# Altium PCB STB_LightBoard.PcbDoc (part 15 of 31)
Units mm, origin at the board's own origin, x right, y up, seen from the top; angles counter-clockwise.
Board outline 348 x 348 mm, 2 copper layers (Top Layer, Bottom Layer), stack 1.672 mm thick; 3807 components, 3391 nets, 11616 pads, 2553 vias.
Unrouted connection lines stored in the file: 68.
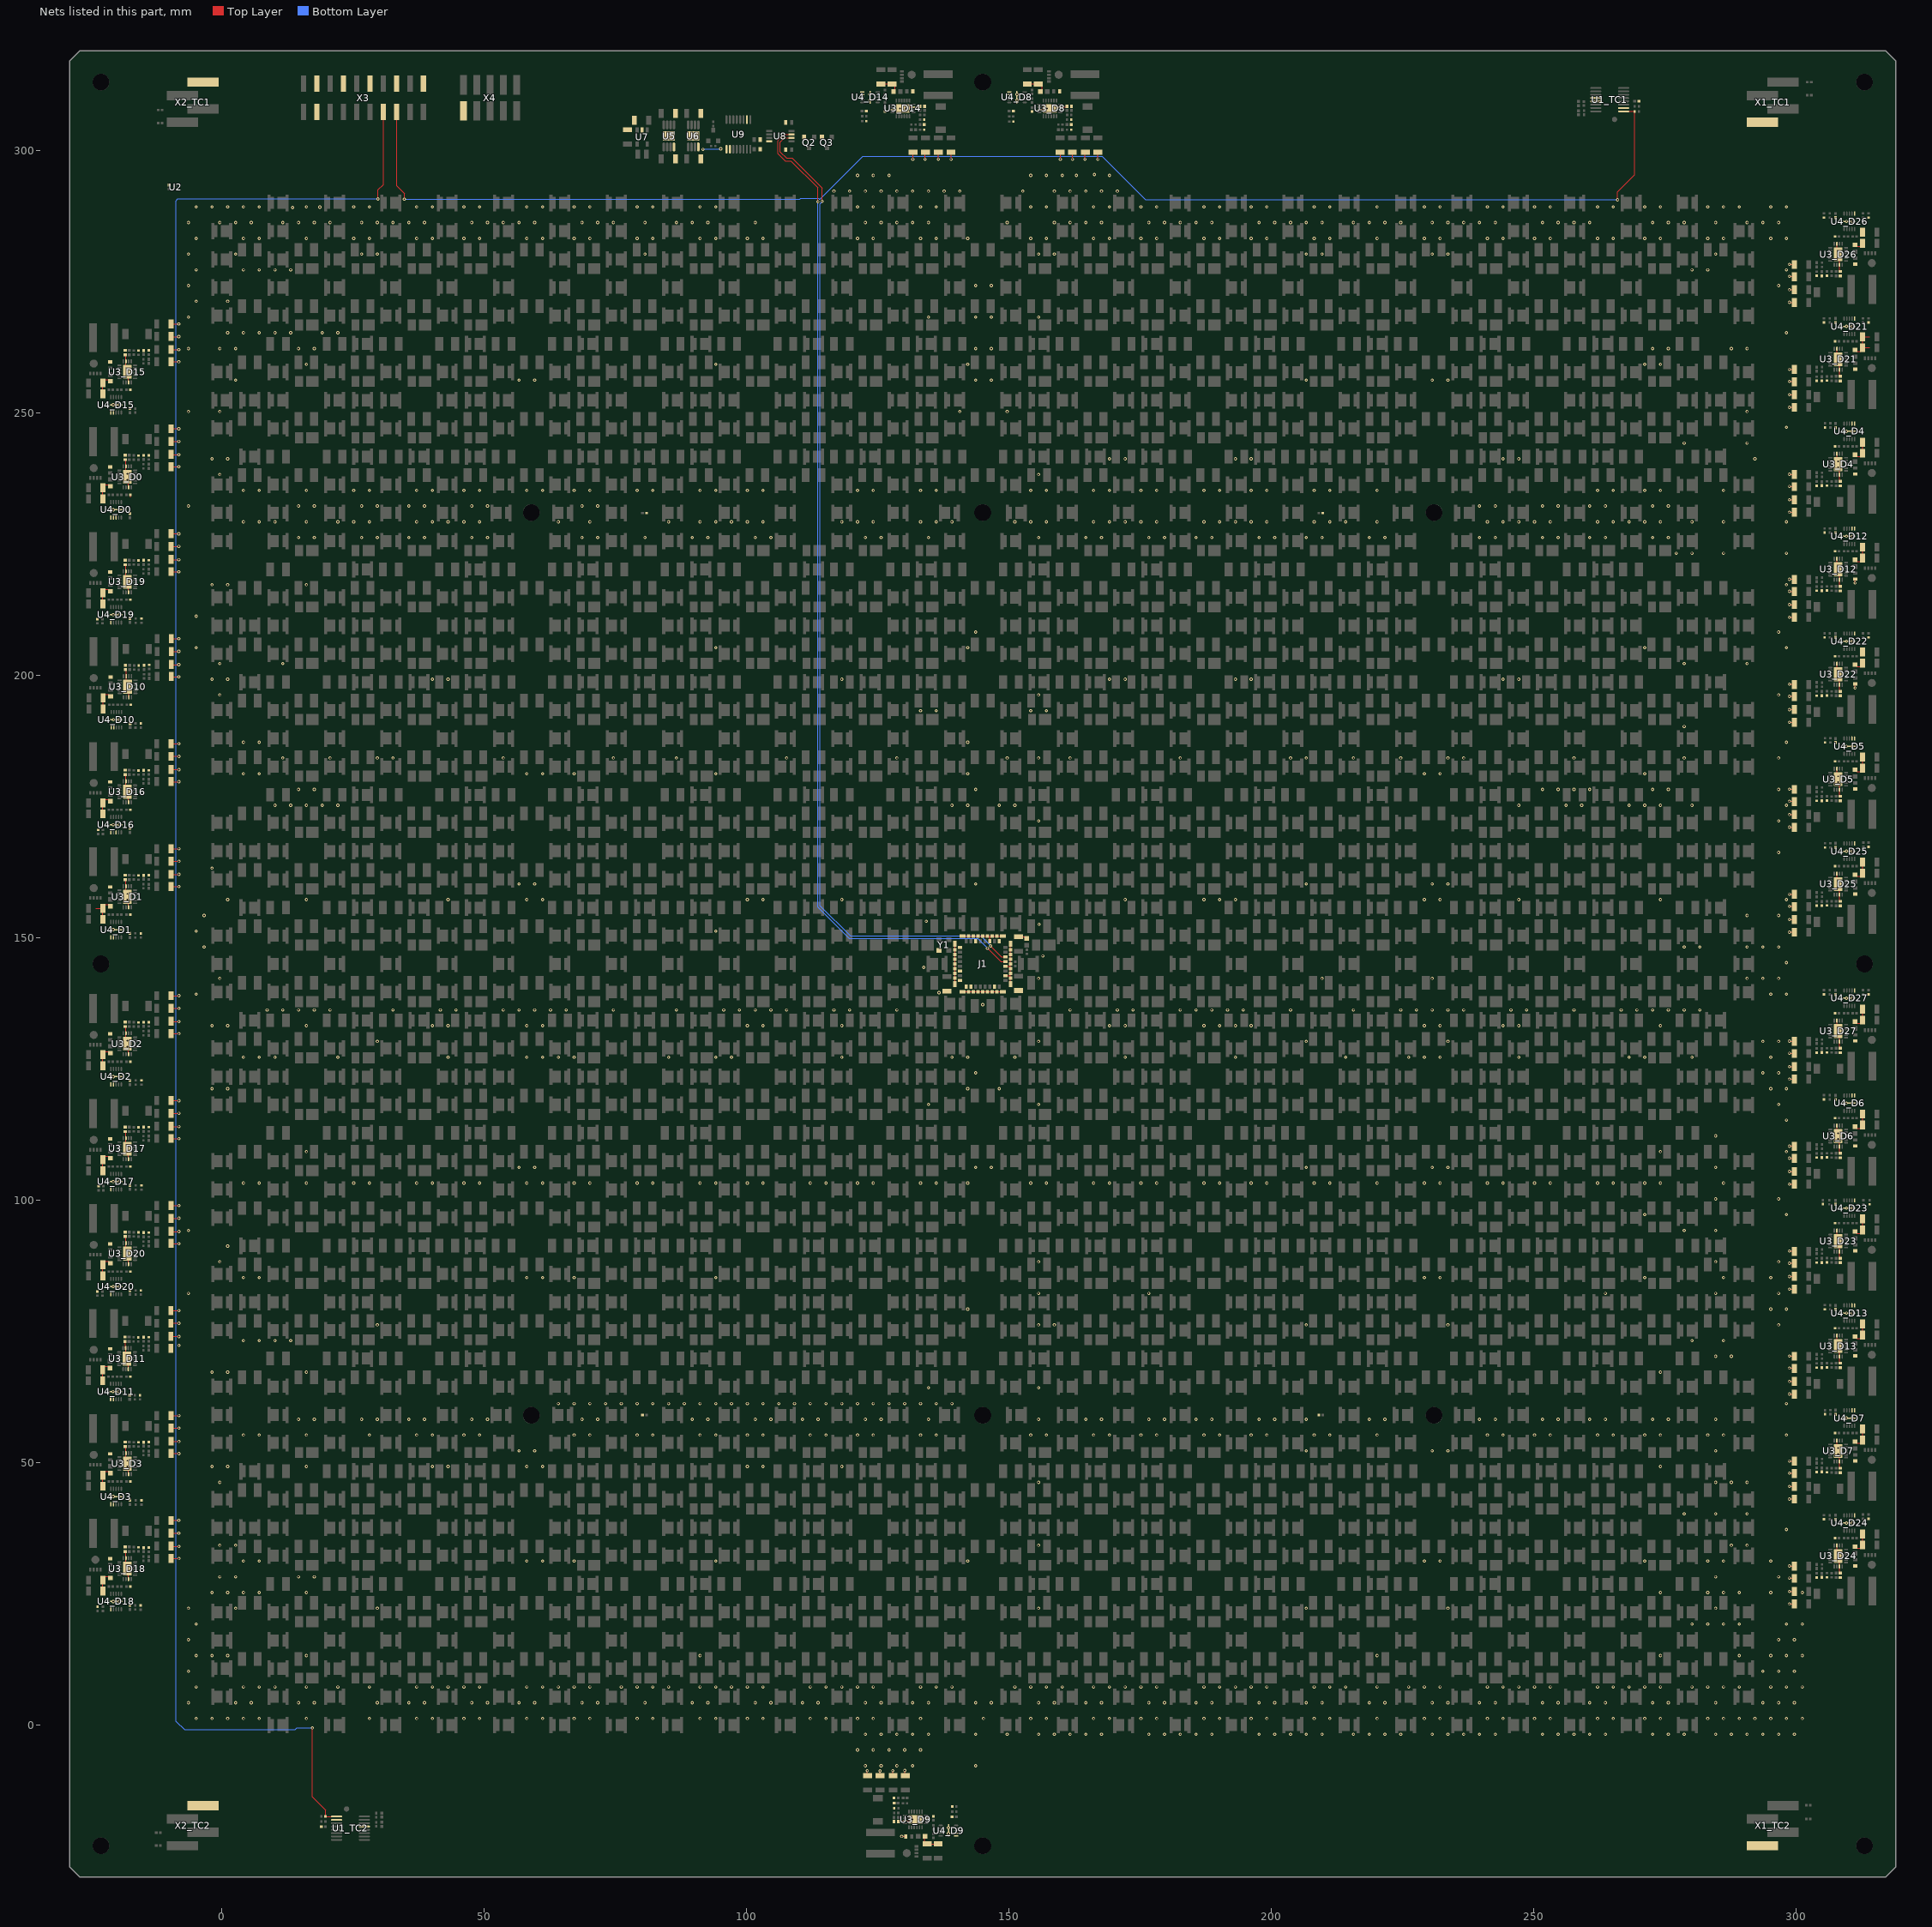
[diagram p15: the nets of this part, all layers, seen from the top]

## Via types
v1: diameter 0.604, hole 0.3, Top Layer to Bottom Layer, tented both sides, 2553 vias

## Nets (pads, with @x,y where several pads share a name; then routed paths per layer and width w, separated by ;. In a path a pad name is that pad's centre, name@x,y a point inside that pad or via, vN(x,y) a via of type N, cw(c..) or ccw(c..) an arc to the next point about the centre after c; other vN are vias at no path point) (continued)
GND: C1_TC1.1 C1_TC2.1 C4.1 C5_D0.2 C5_D1.2 C5_D2.2 C5_D3.2 C5_D4.2 C5_D5.2 C5_D6.2 C5_D7.2 C5_D8.2 C5_D9.2 C5_D10.2 C5_D11.2 C5_D12.2 C5_D13.2 C5_D14.2 C5_D15.2 C5_D16.2 C5_D17.2 C5_D18.2 C5_D19.2 C5_D20.2 C5_D21.2 C5_D22.2 C5_D23.2 C5_D24.2 C5_D25.2 C5_D26.2 C5_D27.2 C6_D0.2 C6_D1.2 C6_D2.2 C6_D3.2 C6_D4.2 C6_D5.2 C6_D6.2 C6_D7.2 C6_D8.2 C6_D9.2 C6_D10.2 C6_D11.2 C6_D12.2 C6_D13.2 C6_D14.2 C6_D15.2 C6_D16.2 C6_D17.2 C6_D18.2 C6_D19.2 C6_D20.2 C6_D21.2 C6_D22.2 C6_D23.2 C6_D24.2 C6_D25.2 C6_D26.2 C6_D27.2 C8_D0.2 C8_D1.2 C8_D2.2 C8_D3.2 C8_D4.2 C8_D5.2 C8_D6.2 C8_D7.2 C8_D8.2 C8_D9.2 C8_D10.2 C8_D11.2 C8_D12.2 C8_D13.2 C8_D14.2 C8_D15.2 C8_D16.2 C8_D17.2 C8_D18.2 C8_D19.2 C8_D20.2 C8_D21.2 C8_D22.2 C8_D23.2 C8_D24.2 C8_D25.2 C8_D26.2 C8_D27.2 C9_D0.2 C9_D1.2 C9_D2.2 C9_D3.2 C9_D4.2 C9_D5.2 C9_D6.2 C9_D7.2 C9_D8.2 C9_D9.2 C9_D10.2 C9_D11.2 C9_D12.2 C9_D13.2 C9_D14.2 C9_D15.2 C9_D16.2 C9_D17.2 C9_D18.2 C9_D19.2 C9_D20.2 C9_D21.2 C9_D22.2 C9_D23.2 C9_D24.2 C9_D25.2 C9_D26.2 C9_D27.2 C10_D0.2 C10_D1.2 C10_D2.2 C10_D3.2 C10_D4.2 C10_D5.2 C10_D6.2 C10_D7.2 C10_D8.2 C10_D9.2 C10_D10.2 C10_D11.2 C10_D12.2 C10_D13.2 C10_D14.2 C10_D15.2 C10_D16.2 C10_D17.2 C10_D18.2 C10_D19.2 C10_D20.2 C10_D21.2 C10_D22.2 C10_D23.2 C10_D24.2 C10_D25.2 C10_D26.2 C10_D27.2 C11_D0.2 C11_D1.2 C11_D2.2 C11_D3.2 C11_D4.2 C11_D5.2 C11_D6.2 C11_D7.2 C11_D8.2 C11_D9.2 C11_D10.2 C11_D11.2 C11_D12.2 C11_D13.2 C11_D14.2 C11_D15.2 C11_D16.2 C11_D17.2 C11_D18.2 C11_D19.2 C11_D20.2 C11_D21.2 C11_D22.2 C11_D23.2 C11_D24.2 C11_D25.2 C11_D26.2 C11_D27.2 C12_D0.1 C12_D1.1 C12_D2.1 C12_D3.1 C12_D4.1 C12_D5.1 C12_D6.1 C12_D7.1 C12_D8.1 C12_D9.1 C12_D10.1 C12_D11.1 C12_D12.1 C12_D13.1 C12_D14.1 C12_D15.1 C12_D16.1 C12_D17.1 C12_D18.1 C12_D19.1 C12_D20.1 C12_D21.1 C12_D22.1 C12_D23.1 C12_D24.1 C12_D25.1 C12_D26.1 C12_D27.1 C13_D0.2 C13_D1.2 C13_D2.2 C13_D3.2 C13_D4.2 C13_D5.2 C13_D6.2 C13_D7.2 C13_D8.2 C13_D9.2 C13_D10.2 C13_D11.2 C13_D12.2 C13_D13.2 C13_D14.2 C13_D15.2 C13_D16.2 C13_D17.2 C13_D18.2 C13_D19.2 C13_D20.2 C13_D21.2 C13_D22.2 C13_D23.2 C13_D24.2 C13_D25.2 C13_D26.2 C13_D27.2 C14_D0.1 C14_D1.1 C14_D2.1 C14_D3.1 C14_D4.1 C14_D5.1 C14_D6.1 C14_D7.1 C14_D8.1 C14_D9.1 C14_D10.1 C14_D11.1 C14_D12.1 C14_D13.1 C14_D14.1 C14_D15.1 C14_D16.1 C14_D17.1 C14_D18.1 C14_D19.1 C14_D20.1 C14_D21.1 C14_D22.1 C14_D23.1 C14_D24.1 C14_D25.1 C14_D26.1 C14_D27.1 C15_D0.1 C15_D1.1 C15_D2.1 C15_D3.1 C15_D4.1 C15_D5.1 C15_D6.1 C15_D7.1 C15_D8.1 C15_D9.1 C15_D10.1 C15_D11.1 C15_D12.1 C15_D13.1 C15_D14.1 C15_D15.1 C15_D16.1 C15_D17.1 C15_D18.1 C15_D19.1 C15_D20.1 C15_D21.1 C15_D22.1 C15_D23.1 C15_D24.1 C15_D25.1 C15_D26.1 C15_D27.1 C16_D0.1 C16_D1.1 C16_D2.1 C16_D3.1 C16_D4.1 C16_D5.1 C16_D6.1 C16_D7.1 C16_D8.1 C16_D9.1 C16_D10.1 C16_D11.1 C16_D12.1 C16_D13.1 C16_D14.1 C16_D15.1 C16_D16.1 C16_D17.1 C16_D18.1 C16_D19.1 C16_D20.1 C16_D21.1 C16_D22.1 C16_D23.1 C16_D24.1 C16_D25.1 C16_D26.1 C16_D27.1 C17_D0.1 C17_D1.1 C17_D2.1 C17_D3.1 C17_D4.1 C17_D5.1 C17_D6.1 C17_D7.1 C17_D8.1 C17_D9.1 C17_D10.1 C17_D11.1 C17_D12.1 C17_D13.1 C17_D14.1 C17_D15.1 C17_D16.1 C17_D17.1 C17_D18.1 C17_D19.1 C17_D20.1 C17_D21.1 C17_D22.1 C17_D23.1 C17_D24.1 C17_D25.1 C17_D26.1 C17_D27.1 C18.2 C19.2 C20.2 C21.2 C22.2 C23.2 C24.2 C25.2 C26.1 C27.2 C29.2 C30.2 C31.2 C34.2 J1.1 J1.6 J1.8 J1.9 J1.10 J1.15 J1.18 J1.20 J1.25 J1.27 J1.30 J1.33 J1.34 J1.35 J1.36 J1.37 J1.38 J1.39 J1.40 J1.41 J1.42 J1.43 J1.44 J1.45 J1.46 J1.47 J1.48 J1.49 J1.50 J1.51 J1.52 J1.53 J1.54 J1.55 J1.56 J1.57 J1.58 J1.59 J1.60 J1.61 J1.62 J1.63 J1.64 J1.65 J1.66 J1.67 J1.68 Q2.2 Q3.2 R4.1 R5.1 R9.1 R10.1 R11.1 R16.1 R17.1 R18.1 R19.1 R21.1 R25.1 R26.1 R27.1 R32.1 R33.1 R34.1 R35.1 R38.1 R39.1 R41.1 R43.1 R51_TC1.1 R51_TC2.1 R53_TC1.1 R53_TC2.1 R55_D0.2 R55_D1.2 R55_D2.2 R55_D3.2 R55_D4.2 R55_D5.2 R55_D6.2 R55_D7.2 R55_D8.2 R55_D9.2 R55_D10.2 R55_D11.2 R55_D12.2 R55_D13.2 R55_D14.2 R55_D15.2 R55_D16.2 R55_D17.2 R55_D18.2 R55_D19.2 R55_D20.2 R55_D21.2 R55_D22.2 R55_D23.2 R55_D24.2 R55_D25.2 R55_D26.2 R55_D27.2 R59_D0.1 R59_D1.1 R59_D2.1 R59_D3.1 R59_D4.1 R59_D5.1 R59_D6.1 R59_D7.1 R59_D8.1 R59_D9.1 R59_D10.1 R59_D11.1 R59_D12.1 R59_D13.1 R59_D14.1 R59_D15.1 R59_D16.1 R59_D17.1 R59_D18.1 R59_D19.1 R59_D20.1 R59_D21.1 R59_D22.1 R59_D23.1 R59_D24.1 R59_D25.1 R59_D26.1 R59_D27.1 R60_D0.1 R60_D1.1 R60_D2.1 R60_D3.1 R60_D4.1 R60_D5.1 R60_D6.1 R60_D7.1 R60_D8.1 R60_D9.1 R60_D10.1 R60_D11.1 R60_D12.1 R60_D13.1 R60_D14.1 R60_D15.1 R60_D16.1 R60_D17.1 R60_D18.1 R60_D19.1 R60_D20.1 R60_D21.1 R60_D22.1 R60_D23.1 R60_D24.1 R60_D25.1 R60_D26.1 R60_D27.1 R63.1 R64.1 R67.1 R68.1 R73.1 R74.1 R75.1 R76.1 R81.1 R82.1 R83.1 R84.1 R86.1 R88.1 R90.1 R92.1 U1_TC1.4 U1_TC1.5 U1_TC1.10 U1_TC2.5 U1_TC2.10 U2.A2 U3_D0.9 U3_D0.19 U3_D0.21 U3_D1.9 U3_D1.19 U3_D1.21 U3_D2.9 U3_D2.19 U3_D2.21 U3_D3.9 U3_D3.19 U3_D3.21 U3_D4.9 U3_D4.19 U3_D4.21 U3_D5.9 U3_D5.19 U3_D5.21 U3_D6.9 U3_D6.19 U3_D6.21 U3_D7.9 U3_D7.19 U3_D7.21 U3_D8.9 U3_D8.19 U3_D8.21 U3_D9.9 U3_D9.19 U3_D9.21 U3_D10.9 U3_D10.19 U3_D10.21 U3_D11.9 U3_D11.19 U3_D11.21 U3_D12.9 U3_D12.19 U3_D12.21 U3_D13.9 U3_D13.19 U3_D13.21 U3_D14.9 U3_D14.19 U3_D14.21 U3_D15.9 U3_D15.19 U3_D15.21 U3_D16.9 U3_D16.19 U3_D16.21 U3_D17.9 U3_D17.19 U3_D17.21 U3_D18.9 U3_D18.19 U3_D18.21 U3_D19.9 U3_D19.19 U3_D19.21 U3_D20.9 U3_D20.19 U3_D20.21 U3_D21.9 U3_D21.19 U3_D21.21 U3_D22.9 U3_D22.19 U3_D22.21 U3_D23.9 U3_D23.19 U3_D23.21 U3_D24.9 U3_D24.19 U3_D24.21 U3_D25.9 U3_D25.19 U3_D25.21 U3_D26.9 U3_D26.19 U3_D26.21 U3_D27.9 U3_D27.19 U3_D27.21 U4_D0.1 U4_D0.2 U4_D0.3 U4_D0.11 U4_D1.1 U4_D1.2 U4_D1.11 U4_D2.1 U4_D2.2 U4_D2.11 U4_D3.1 U4_D3.2 U4_D3.11 U4_D4.1 U4_D4.2 U4_D4.11 U4_D5.1 U4_D5.2 U4_D5.11 U4_D6.1 U4_D6.2 U4_D6.11 U4_D7.1 U4_D7.2 U4_D7.11 U4_D8.1 U4_D8.2 U4_D8.11 U4_D9.1 U4_D9.2 U4_D9.11 U4_D10.1 U4_D10.2 U4_D10.11 U4_D11.1 U4_D11.2 U4_D11.11 U4_D12.1 U4_D12.2 U4_D12.11 U4_D13.1 U4_D13.2 U4_D13.11 U4_D14.1 U4_D14.2 U4_D14.11 U4_D15.1 U4_D15.2 U4_D15.11 U4_D16.1 U4_D16.3 U4_D16.11 U4_D17.1 U4_D17.11 U4_D18.1 U4_D18.11 U4_D19.1 U4_D19.11 U4_D20.1 U4_D20.11 U4_D21.1 U4_D21.11 U4_D22.1 U4_D22.11 U4_D23.1 U4_D23.11 U4_D24.1 U4_D24.11 U4_D25.1 U4_D25.11 U4_D26.1 U4_D26.11 U4_D27.1 U4_D27.11 U5.4 U5.9 U6.4 U6.9 U7.2 U8.4 U9.2 U9.9 U9.10 X1_TC1.1 X1_TC2.1 X2_TC1.1 X2_TC2.1 X3.3 X3.4 X3.8 X3.12 X3.16 X3.20 X4.1 Y1.2 | length 397.7
  Top Layer w0.152: v1(95.1,300.3) v1@95.3,300.3
  Top Layer w0.2: -23.954,155.565 -22.673,155.565 C6_D1.2@-22.638,155.6 ; C5_D11.2@-22.68,65.6 -22.68,67.587 C6_D11.2@-22.317,67.225 ; C6_D18.2@-22.673,27.565 C6_D18.2@-22.638,27.6 ; C6_D3.2@-22.673,47.565 C6_D3.2@-22.638,47.6 ; C6_D17.2@-22.673,107.665 C6_D17.2@-22.638,107.7 ; C6_D2.2@-22.673,127.665 C6_D2.2@-22.638,127.7 ; C6_D16.2@-22.673,175.665 C6_D16.2@-22.638,175.7 ; C6_D19.2@-22.673,215.665 C6_D19.2@-22.638,215.7 ; C6_D0.2@-22.673,235.665 C6_D0.2@-22.638,235.7 ; C6_D15.2@-22.673,255.665 C6_D15.2@-22.638,255.7 ; C5_D18.2@-22.638,25.5 C6_D18.2@-22.638,27.487 ; C5_D3.2@-22.638,45.5 C6_D3.2@-22.638,47.487 ; C5_D20.2@-22.638,85.6 C6_D20.2@-22.638,87.587 ; C5_D17.2@-22.638,105.6 C6_D17.2@-22.638,107.587 ; C5_D2.2@-22.638,125.6 C6_D2.2@-22.638,127.587 ; C5_D1.2@-22.638,153.5 C6_D1.2@-22.638,155.487 ; C5_D16.2@-22.638,173.6 C6_D16.2@-22.638,175.587 ; C5_D19.2@-22.638,213.6 C6_D19.2@-22.638,215.587 ; C5_D0.2@-22.638,233.6 C6_D0.2@-22.638,235.587 ; C5_D15.2@-22.638,253.6 C6_D15.2@-22.638,255.587 ; C6_D10.2@-22.615,195.665 C6_D10.2@-22.579,195.7 ; C5_D10.2@-22.579,193.6 C6_D10.2@-22.58,195.587 ; C6_D11.2@-22.317,68.325 -21.592,68.325 C15_D11.1@-21.267,68 ; C6_D18.2@-22.275,28.325 C15_D18.1@-21.55,28.325 ; C6_D3.2@-22.275,48.325 C15_D3.1@-21.55,48.325 ; C6_D20.2@-22.275,88.325 C15_D20.1@-21.55,88.325 ; C6_D17.2@-22.275,108.325 C15_D17.1@-21.55,108.325 ; C6_D2.2@-22.275,128.325 C15_D2.1@-21.55,128.325 ; C6_D1.2@-22.275,156.325 C15_D1.1@-21.55,156.325 ; C6_D16.2@-22.275,176.325 C15_D16.1@-21.55,176.325 ; C6_D19.2@-22.275,216.325 C15_D19.1@-21.55,216.325 ; C6_D0.2@-22.275,236.325 C15_D0.1@-21.55,236.325 ; C6_D15.2@-22.275,256.325 C15_D15.1@-21.55,256.325 ; C6_D10.2@-22.217,196.325 C15_D10.1@-21.492,196.325 ; C16_D11.1@-18.437,73.066 C16_D11.1@-18.432,73.06 -18.311,72.94 -18.311,71.819 U3_D11.19@-18.292,71.8 -18.292,70.05 U3_D11.21@-18.042,69.8 ; C16_D18.1@-18.395,33.065 C16_D18.1@-18.39,33.061 -18.269,32.94 -18.269,31.819 U3_D18.19@-18.25,31.8 -18.25,30.05 U3_D18.21@-18,29.8 ; C16_D3.1@-18.395,53.065 C16_D3.1@-18.39,53.061 -18.269,52.94 -18.269,51.819 U3_D3.19@-18.25,51.8 -18.25,50.05 U3_D3.21@-18,49.8 ; C16_D20.1@-18.395,93.065 C16_D20.1@-18.39,93.06 -18.269,92.94 -18.269,91.819 U3_D20.19@-18.25,91.8 -18.25,90.05 U3_D20.21@-18,89.8 ; C16_D17.1@-18.395,113.065 C16_D17.1@-18.39,113.06 -18.269,112.94 -18.269,111.819 U3_D17.19@-18.25,111.8 -18.25,110.05 U3_D17.21@-18,109.8 ; C16_D2.1@-18.395,133.065 C16_D2.1@-18.39,133.061 -18.269,132.94 -18.269,131.819 U3_D2.19@-18.25,131.8 -18.25,130.05 U3_D2.21@-18,129.8 ; C16_D1.1@-18.395,161.065 C16_D1.1@-18.39,161.061 -18.269,160.94 -18.269,159.819 U3_D1.19@-18.25,159.8 -18.25,158.05 U3_D1.21@-18,157.8 ; C16_D16.1@-18.395,181.065 C16_D16.1@-18.39,181.061 -18.269,180.94 -18.269,179.819 U3_D16.19@-18.25,179.8 -18.25,178.05 U3_D16.21@-18,177.8 ; C16_D19.1@-18.395,221.065 C16_D19.1@-18.39,221.06 -18.269,220.94 -18.269,219.819 U3_D19.19@-18.25,219.8 -18.25,218.05 U3_D19.21@-18,217.8 ; C16_D0.1@-18.395,241.065 C16_D0.1@-18.39,241.06 -18.269,240.94 -18.269,239.819 U3_D0.19@-18.25,239.8 -18.25,238.05 U3_D0.21@-18,237.8 ; C16_D15.1@-18.395,261.065 C16_D15.1@-18.39,261.061 -18.269,260.94 -18.269,259.819 U3_D15.19@-18.25,259.8 -18.25,258.05 U3_D15.21@-18,257.8 ; C16_D10.1@-18.337,201.066 C16_D10.1@-18.332,201.06 -18.211,200.94 -18.211,199.819 U3_D10.19@-18.192,199.8 -18.192,198.05 U3_D10.21@-17.942,197.8 ; v1(-18.042,69.25) -17.792,69 U3_D11.9@-17.792,67.8 ; v1(-18,29.25) -17.75,29 U3_D18.9@-17.75,27.8 ; v1(-18,49.25) -17.75,49 U3_D3.9@-17.75,47.8 ; v1(-18,89.25) -17.75,89 U3_D20.9@-17.75,87.8 ; v1(-18,109.25) -17.75,109 U3_D17.9@-17.75,107.8 ; v1(-18,129.25) -17.75,129 U3_D2.9@-17.75,127.8 ; v1(-18,157.25) -17.75,157 U3_D1.9@-17.75,155.8 ; v1(-18,177.25) -17.75,177 U3_D16.9@-17.75,175.8 ; v1(-18,217.25) -17.75,217 U3_D19.9@-17.75,215.8 ; v1(-18,237.25) -17.75,237 U3_D0.9@-17.75,235.8 ; v1(-18,257.25) -17.75,257 U3_D15.9@-17.75,255.8 ; v1(-17.942,197.25) -17.692,197 U3_D10.9@-17.692,195.8 ; R60_D11.1@-17.417,66.389 R60_D11.1@-17.413,66.385 ; R60_D18.1@-17.375,26.389 R60_D18.1@-17.371,26.385 ; R60_D3.1@-17.375,46.389 R60_D3.1@-17.371,46.385 ; R60_D20.1@-17.375,86.389 R60_D20.1@-17.371,86.385 ; R60_D17.1@-17.375,106.389 R60_D17.1@-17.371,106.385 ; R60_D2.1@-17.375,126.389 R60_D2.1@-17.371,126.385 ; R60_D1.1@-17.375,154.389 R60_D1.1@-17.371,154.385 ; R60_D16.1@-17.375,174.389 R60_D16.1@-17.371,174.385 ; R60_D19.1@-17.375,214.389 R60_D19.1@-17.371,214.385 ; R60_D0.1@-17.375,234.389 -17.369,234.382 -17.369,233.964 -17.362,233.958 ; R60_D15.1@-17.375,254.389 R60_D15.1@-17.346,254.36 ; R60_D10.1@-17.317,194.389 R60_D10.1@-17.313,194.385 ; R59_D11.1@-15.926,73.87 R59_D11.1@-15.917,73.86 ; R59_D15.1@-15.884,261.869 R59_D15.1@-15.875,261.861 ; C12_D15.1@-14.905,261.885 C12_D15.1@-14.9,261.89 ; C8_D11.2@-9.691,72.047 C8_D11.2@-9.416,72.322 ; C9_D11.2@-9.691,74.062 -9.64,74.011 v1(-8.152,74.011) ; C10_D11.2@-9.691,76.534 -9.671,76.554 v1(-8.152,76.554) ; C11_D11.2@-9.681,78.953 v1(-8.152,78.953) ; C8_D18.2@-9.649,31.744 -9.612,31.707 v1(-8.152,31.707) ; C10_D18.2@-9.649,36.534 -9.629,36.554 v1(-8.182,36.554) ; C8_D20.2@-9.649,91.744 -9.612,91.707 v1(-8.152,91.707) ; C9_D20.2@-9.649,94.062 -9.598,94.011 v1(-8.152,94.011) ; C10_D20.2@-9.649,96.534 -9.629,96.554 v1(-8.152,96.554) ; C8_D17.2@-9.649,111.744 -9.612,111.707 v1(-8.152,111.707) ; C9_D17.2@-9.649,114.062 -9.598,114.011 v1(-8.152,114.011) ; C10_D17.2@-9.649,116.534 -9.629,116.554 v1(-8.152,116.554) ; C8_D2.2@-9.649,131.744 -9.612,131.707 v1(-8.152,131.707) ; C10_D2.2@-9.649,136.534 -9.629,136.554 v1(-8.152,136.554) ; C10_D16.2@-9.649,184.534 -9.629,184.554 v1(-8.152,184.554) ; C8_D19.2@-9.649,219.744 -9.612,219.707 v1(-8.165,219.707) ; C9_D19.2@-9.649,222.062 -9.598,222.011 v1(-8.165,222.011) ; C10_D19.2@-9.649,224.534 -9.629,224.554 v1(-8.165,224.554) ; C11_D18.2@-9.64,38.953 -9.602,38.991 v1(-8.193,38.991) ; C11_D3.2@-9.64,58.953 v1(-8.152,58.953) ; C11_D20.2@-9.64,98.953 v1(-8.152,98.953) ; C11_D17.2@-9.64,118.953 v1(-8.152,118.953) ; C11_D2.2@-9.64,138.953 v1(-8.152,138.953) ; C8_D1.2@-9.64,159.753 v1(-8.152,159.753) ; C9_D1.2@-9.64,162.071 v1(-8.152,162.071) ; C10_D1.2@-9.64,164.543 v1(-8.152,164.543) ; C11_D1.2@-9.64,166.953 v1(-8.152,166.953) ; C11_D16.2@-9.64,186.953 v1(-8.152,186.953) ; C11_D19.2@-9.64,226.953 v1(-8.165,226.953) ; C8_D0.2@-9.64,239.753 -9.603,239.717 v1(-8.165,239.717) ; C9_D0.2@-9.64,242.071 -9.589,242.021 v1(-8.165,242.021) ; C10_D0.2@-9.64,244.543 -9.62,244.563 v1(-8.165,244.563) ; C11_D0.2@-9.64,246.953 -9.63,246.962 v1(-8.165,246.962) ; C8_D15.2@-9.64,259.753 -9.609,259.722 v1(-8.165,259.722) ; C9_D15.2@-9.64,262.071 -9.595,262.026 v1(-8.165,262.026) ; C10_D15.2@-9.64,264.543 -9.602,264.505 v1(-8.165,264.505) ; C11_D15.2@-9.64,266.953 -9.623,266.937 v1(-8.165,266.937) ; C10_D3.2@-9.629,56.554 v1(-8.152,56.554) ; C8_D3.2@-9.612,51.707 v1(-8.152,51.707) ; C9_D3.2@-9.598,54.011 v1(-8.152,54.011) ; C10_D10.2@-9.591,204.534 -9.571,204.554 v1(-8.165,204.554) ; C11_D10.2@-9.581,206.953 v1(-8.165,206.953) ; v1(-8.165,199.707) C8_D10.2@-9.554,199.707 ; v1(-8.165,202.011) C9_D10.2@-9.54,202.011 ; v1(-8.152,34.011) C9_D18.2@-9.598,34.011 ; v1(-8.152,134.011) C9_D2.2@-9.598,134.011 ; v1(-8.152,179.707) C8_D16.2@-9.612,179.707 ; v1(-8.152,182.011) C9_D16.2@-9.598,182.011 ; v1(123,-8.7) 123,-9.593 C11_D9.2@123.047,-9.639 ; v1(125.427,-8.754) 125.427,-9.61 C10_D9.2@125.457,-9.639 ; C5_D14.2@125.6,312.637 C6_D14.2@127.587,312.638 ; C6_D14.2@127.665,312.673 C6_D14.2@127.7,312.637 ; U3_D14.9@127.8,307.75 129,307.75 v1(129.25,308) ; v1(127.863,-8.713) 127.863,-9.574 C9_D9.2@127.929,-9.639 ; C15_D14.1@128.325,311.55 C6_D14.2@128.325,312.275 ; C16_D9.1@129.06,-18.269 130.181,-18.269 U3_D9.19@130.2,-18.25 131.95,-18.25 U3_D9.21@132.2,-18 ; v1(129.575,-21.225) C13_D9.2@130.325,-21.225 ; U3_D14.21@129.8,308 130.05,308.25 U3_D14.19@131.8,308.25 131.819,308.269 132.94,308.269 C16_D14.1@133.06,308.39 C16_D14.1@133.065,308.395 ; v1(130.155,-8.651) 130.155,-9.548 C8_D9.2@130.247,-9.639 ; v1(131.693,298.316) 131.693,299.579 C8_D14.2@131.753,299.639 ; v1(132.75,-18) 133,-17.75 U3_D9.9@134.2,-17.75 ; R59_D14.1@133.86,305.875 R59_D14.1@133.869,305.884 ; C15_D9.1@133.9,-21.33 133.9,-22.275 134.263,-22.637 C6_D9.2@134.4,-22.637 ; v1(134.025,298.316) 134.025,299.593 C9_D14.2@134.071,299.639 ; C6_D9.2@134.513,-22.638 C5_D9.2@136.5,-22.637 ; v1(136.537,298.316) 136.537,299.633 C10_D14.2@136.543,299.639 ; C11_D14.2@138.953,299.639 138.971,299.621 v1(138.971,298.316) ; J1.58@139.695,141.17 J1.56@139.695,142.3 J1.54@139.695,143.2 J1.52@139.695,144.1 J1.50@139.695,145 J1.48@139.695,145.9 J1.46@139.695,146.8 J1.44@139.695,147.7 J1.42@139.695,148.83 ; J1.60@141.17,139.695 J1.61@142.3,139.695 J1.62@143.2,139.695 J1.63@144.1,139.695 J1.64@145,139.695 J1.65@145.9,139.695 J1.66@146.8,139.695 J1.67@147.7,139.695 J1.68@148.83,139.695 ; J1.33@141.17,150.305 J1.34@142.3,150.305 J1.35@143.2,150.305 J1.36@144.1,150.305 J1.37@145,150.305 J1.38@145.9,150.305 146.35,150.305 ; J1.27@146.35,149.31 146.35,150.305 ; J1.41@148.83,150.305 J1.40@147.7,150.305 J1.39@146.8,150.305 146.35,150.305 ; J1.18@149.31,142.75 150.305,142.75 ; J1.20@149.31,144.55 150.305,144.55 ; J1.59@150.305,141.17 J1.57@150.305,142.3 150.305,142.75 ; J1.43@150.305,148.83 J1.45@150.305,147.7 J1.47@150.305,146.8 J1.49@150.305,145.9 J1.51@150.305,145 150.305,144.55 ; C34.2@151.8,150.162 152.888,150.162 153.05,150 153.05,149.975 153.375,149.65 C26.1@153.4,149.65 ; C5_D8.2@153.5,312.637 C6_D8.2@155.487,312.638 ; C6_D8.2@155.565,312.673 C6_D8.2@155.6,312.637 ; U3_D8.9@155.8,307.75 157,307.75 v1(157.25,308) ; C15_D8.1@156.325,311.55 C6_D8.2@156.325,312.275 ; U3_D8.21@157.8,308 158.05,308.25 U3_D8.19@159.8,308.25 159.819,308.269 160.94,308.269 C16_D8.1@161.06,308.39 C16_D8.1@161.066,308.395 ; C8_D8.2@159.753,299.639 159.792,299.6 v1(159.792,298.316) ; R59_D8.1@161.86,305.875 R59_D8.1@161.87,305.884 ; C9_D8.2@162.071,299.639 162.091,299.62 v1(162.091,298.316) ; v1(164.497,298.316) 164.497,299.594 C10_D8.2@164.543,299.639 ; C11_D8.2@166.953,299.639 166.957,299.636 v1(166.957,298.316) ; v1@298.622,30.293 299.612,30.293 C8_D24.2@299.649,30.256 ; v1@298.622,50.293 299.612,50.293 C8_D7.2@299.649,50.256 ; v1@298.622,70.293 299.612,70.293 C8_D13.2@299.649,70.256 ; v1@298.622,90.293 C8_D23.2@299.612,90.293 ; v1@298.622,110.293 299.612,110.293 C8_D6.2@299.649,110.256 ; v1@298.622,130.293 299.612,130.293 C8_D27.2@299.649,130.256 ; v1@298.622,158.293 C8_D25.2@299.612,158.293 ; v1@298.622,178.293 299.612,178.293 C8_D5.2@299.649,178.256 ; v1@298.622,198.293 299.612,198.293 C8_D22.2@299.649,198.256 ; v1@298.622,218.293 C8_D12.2@299.612,218.293 ; v1@298.622,238.293 299.612,238.293 C8_D4.2@299.649,238.256 ; v1@298.622,258.293 299.612,258.293 C8_D21.2@299.649,258.256 ; v1@298.622,278.293 299.612,278.293 C8_D26.2@299.649,278.256 ; v1@298.653,27.989 299.598,27.989 C9_D24.2@299.649,27.938 ; v1@298.653,47.989 299.598,47.989 C9_D7.2@299.649,47.938 ; v1@298.653,67.989 299.598,67.989 C9_D13.2@299.649,67.938 ; v1@298.653,87.989 C9_D23.2@299.598,87.989 ; v1@298.653,107.989 C9_D6.2@299.598,107.989 ; v1@298.653,127.989 299.598,127.989 C9_D27.2@299.649,127.938 ; v1@298.653,155.989 C9_D25.2@299.598,155.989 ; v1@298.653,175.989 299.598,175.989 C9_D5.2@299.649,175.938 ; v1@298.653,195.989 299.598,195.989 C9_D22.2@299.649,195.938 ; v1@298.653,215.989 C9_D12.2@299.598,215.989 ; v1@298.653,235.989 C9_D4.2@299.598,235.989 ; v1@298.653,255.989 299.598,255.989 C9_D21.2@299.649,255.938 ; v1@298.653,275.989 299.598,275.989 C9_D26.2@299.649,275.938 ; v1@298.669,25.446 299.629,25.446 C10_D24.2@299.649,25.466 ; v1@298.669,45.446 299.629,45.446 C10_D7.2@299.649,45.466 ; v1@298.669,65.446 299.629,65.446 C10_D13.2@299.649,65.466 ; v1@298.669,85.446 299.629,85.446 C10_D23.2@299.649,85.466 ; v1@298.669,105.446 299.629,105.446 C10_D6.2@299.649,105.466 ; v1@298.669,125.446 299.629,125.446 C10_D27.2@299.649,125.466 ; v1@298.669,153.446 299.629,153.446 C10_D25.2@299.649,153.466 ; v1@298.669,173.446 299.629,173.446 C10_D5.2@299.649,173.466 ; v1@298.669,193.446 299.629,193.446 C10_D22.2@299.649,193.466 ; v1@298.669,213.446 299.629,213.446 C10_D12.2@299.649,213.466 ; v1@298.669,233.446 299.629,233.446 C10_D4.2@299.649,233.466 ; v1@298.669,253.446 299.629,253.446 C10_D21.2@299.649,253.466 ; v1@298.669,273.446 299.629,273.446 C10_D26.2@299.649,273.466 ; v1(298.685,23.047) C11_D24.2@299.639,23.047 C11_D24.2@299.649,23.056 ; v1(298.685,43.047) C11_D7.2@299.639,43.047 C11_D7.2@299.649,43.056 ; v1(298.685,63.047) C11_D13.2@299.639,63.047 C11_D13.2@299.649,63.056 ; v1(298.685,83.047) C11_D23.2@299.639,83.047 C11_D23.2@299.649,83.056 ; v1(298.685,103.047) C11_D6.2@299.639,103.047 C11_D6.2@299.649,103.056 ; v1(298.685,123.047) C11_D27.2@299.639,123.047 C11_D27.2@299.649,123.056 ; v1(298.685,151.047) C11_D25.2@299.639,151.047 C11_D25.2@299.649,151.056 ; v1(298.685,171.047) C11_D5.2@299.639,171.047 C11_D5.2@299.649,171.056 ; v1(298.685,191.047) C11_D22.2@299.639,191.047 C11_D22.2@299.649,191.056 ; v1(298.685,211.047) C11_D12.2@299.639,211.047 C11_D12.2@299.649,211.056 ; v1(298.685,231.047) C11_D4.2@299.639,231.047 C11_D4.2@299.649,231.056 ; v1(298.685,251.047) C11_D21.2@299.639,251.047 C11_D21.2@299.649,251.056 ; v1(298.685,271.047) C11_D26.2@299.639,271.047 C11_D26.2@299.649,271.056 ; R59_D22.1@305.875,196.14 R59_D22.1@305.884,196.13 ; R59_D21.1@305.875,256.14 R59_D21.1@305.884,256.131 ; R59_D26.1@305.875,276.14 R59_D26.1@305.884,276.131 ; R60_D13.1@307.371,75.615 R60_D13.1@307.375,75.611 ; U3_D24.9@307.75,34.2 307.75,33 v1(308,32.75) ; U3_D7.9@307.75,54.2 307.75,53 v1(308,52.75) ; U3_D13.9@307.75,74.2 307.75,73 v1(308,72.75) ; U3_D23.9@307.75,94.2 307.75,93 v1(308,92.75) ; U3_D6.9@307.75,114.2 307.75,113 v1(308,112.75) ; U3_D27.9@307.75,134.2 307.75,133 v1(308,132.75) ; U3_D25.9@307.75,162.2 307.75,161 v1(308,160.75) ; U3_D5.9@307.75,182.2 307.75,181 v1(308,180.75) ; U3_D22.9@307.75,202.2 307.75,201 v1(308,200.75) ; U3_D12.9@307.75,222.2 307.75,221 v1(308,220.75) ; U3_D4.9@307.75,242.2 307.75,241 v1(308,240.75) ; U3_D21.9@307.75,262.2 307.75,261 v1(308,260.75) ; U3_D26.9@307.75,282.2 307.75,281 v1(308,280.75) ; U3_D24.21@308,32.2 308.25,31.95 U3_D24.19@308.25,30.2 308.269,30.181 308.269,29.06 C16_D24.1@308.39,28.94 C16_D24.1@308.395,28.935 ; U3_D7.21@308,52.2 308.25,51.95 U3_D7.19@308.25,50.2 308.269,50.181 308.269,49.06 C16_D7.1@308.39,48.94 C16_D7.1@308.395,48.935 ; U3_D13.21@308,72.2 308.25,71.95 U3_D13.19@308.25,70.2 308.269,70.181 308.269,69.06 C16_D13.1@308.39,68.94 C16_D13.1@308.395,68.934 ; U3_D23.21@308,92.2 308.25,91.95 U3_D23.19@308.25,90.2 308.269,90.181 308.269,89.06 C16_D23.1@308.39,88.939 C16_D23.1@308.395,88.935 ; U3_D6.21@308,112.2 308.25,111.95 U3_D6.19@308.25,110.2 308.269,110.181 308.269,109.06 C16_D6.1@308.39,108.939 C16_D6.1@308.395,108.935 ; U3_D27.21@308,132.2 308.25,131.95 U3_D27.19@308.25,130.2 308.269,130.181 308.269,129.06 C16_D27.1@308.39,128.94 C16_D27.1@308.395,128.935 ; U3_D25.21@308,160.2 308.25,159.95 U3_D25.19@308.25,158.2 308.269,158.181 308.269,157.06 C16_D25.1@308.39,156.939 C16_D25.1@308.395,156.934 ; U3_D5.21@308,180.2 308.25,179.95 U3_D5.19@308.25,178.2 308.269,178.181 308.269,177.06 C16_D5.1@308.39,176.939 C16_D5.1@308.395,176.934 ; U3_D22.21@308,200.2 308.25,199.95 U3_D22.19@308.25,198.2 308.269,198.181 308.269,197.06 C16_D22.1@308.39,196.94 C16_D22.1@308.395,196.934 ; U3_D12.21@308,220.2 308.25,219.95 U3_D12.19@308.25,218.2 308.269,218.181 308.269,217.06 C16_D12.1@308.39,216.939 C16_D12.1@308.395,216.935 ; U3_D4.21@308,240.2 308.25,239.95 U3_D4.19@308.25,238.2 308.269,238.181 308.269,237.06 C16_D4.1@308.39,236.939 C16_D4.1@308.395,236.935 ; U3_D21.21@308,260.2 308.25,259.95 U3_D21.19@308.25,258.2 308.269,258.181 308.269,257.06 C16_D21.1@308.39,256.94 C16_D21.1@308.395,256.935 ; U3_D26.21@308,280.2 308.25,279.95 U3_D26.19@308.25,278.2 308.269,278.181 308.269,277.06 C16_D26.1@308.39,276.94 C16_D26.1@308.395,276.935 ; v1(311.225,197.575) C13_D22.2@311.225,198.325 ; v1(311.225,217.575) C13_D12.2@311.225,218.325 ; C15_D24.1@311.55,33.675 C6_D24.2@312.275,33.675 ; C15_D7.1@311.55,53.675 C6_D7.2@312.275,53.675 ; C15_D13.1@311.55,73.675 C6_D13.2@312.275,73.675 ; C15_D23.1@311.55,93.675 C6_D23.2@312.275,93.675 ; C15_D6.1@311.55,113.675 C6_D6.2@312.275,113.675 ; C15_D27.1@311.55,133.675 C6_D27.2@312.275,133.675 ; C15_D25.1@311.55,161.675 C6_D25.2@312.275,161.675 ; C15_D5.1@311.55,181.675 C6_D5.2@312.275,181.675 ; C15_D22.1@311.55,201.675 C6_D22.2@312.275,201.675 ; C15_D12.1@311.55,221.675 C6_D12.2@312.275,221.675 ; C15_D4.1@311.55,241.675 C6_D4.2@312.275,241.675 ; C15_D21.1@311.55,261.675 C6_D21.2@312.275,261.675 ; C15_D26.1@311.55,281.675 C6_D26.2@312.275,281.675 ; C6_D24.2@312.638,34.413 C5_D24.2@312.638,36.4 ; C6_D7.2@312.638,54.413 C5_D7.2@312.638,56.4 ; C6_D13.2@312.638,74.413 C5_D13.2@312.638,76.4 ; C6_D23.2@312.638,94.413 C5_D23.2@312.638,96.4 ; C6_D6.2@312.638,114.413 C5_D6.2@312.638,116.4 ; C6_D27.2@312.638,134.413 C5_D27.2@312.638,136.4 ; C6_D25.2@312.638,162.412 C5_D25.2@312.638,164.4 ; C6_D5.2@312.638,182.413 C5_D5.2@312.638,184.4 ; C6_D12.2@312.638,222.413 C5_D12.2@312.638,224.4 ; C6_D4.2@312.638,242.413 C5_D4.2@312.638,244.4 ; C6_D21.2@312.638,262.4 312.673,262.435 313.954,262.435 ; C6_D21.2@312.638,262.513 C5_D21.2@312.638,264.5 313.973,264.5 ; C8_D16.2@-9.612,179.707 -9.649,179.744 C8_D16.2@-9.612,179.707 ; C9_D18.2@-9.598,34.011 -9.649,34.062 C9_D18.2@-9.598,34.011 ; C9_D2.2@-9.598,134.011 -9.649,134.062 C9_D2.2@-9.598,134.011 ; C9_D16.2@-9.598,182.011 -9.649,182.062 C9_D16.2@-9.598,182.011 ; C8_D10.2@-9.554,199.707 -9.591,199.744 C8_D10.2@-9.554,199.707 ; C9_D10.2@-9.54,202.011 -9.591,202.062 C9_D10.2@-9.54,202.011 ; 150.305,142.75 J1.55@150.305,143.2 J1.53@150.305,144.1 150.305,144.55 ; C9_D23.2@299.598,87.989 299.649,87.938 C9_D23.2@299.598,87.989 ; C9_D6.2@299.598,107.989 299.649,107.938 C9_D6.2@299.598,107.989 ; C9_D25.2@299.598,155.989 299.649,155.938 C9_D25.2@299.598,155.989 ; C9_D12.2@299.598,215.989 299.649,215.938 C9_D12.2@299.598,215.989 ; C9_D4.2@299.598,235.989 299.649,235.938 C9_D4.2@299.598,235.989 ; C8_D23.2@299.612,90.293 299.649,90.256 C8_D23.2@299.612,90.293 ; C8_D25.2@299.612,158.293 299.649,158.256 C8_D25.2@299.612,158.293 ; C8_D12.2@299.612,218.293 299.649,218.256 C8_D12.2@299.612,218.293